# Altium PCB Panel1.PcbDoc
Units mm, origin at the board's own origin, x right, y up, seen from the top; angles counter-clockwise.
Board outline 32 x 32 mm, 2 copper layers (Top Layer, Bottom Layer); 4 components, 1 nets, 4 pads, 0 vias.
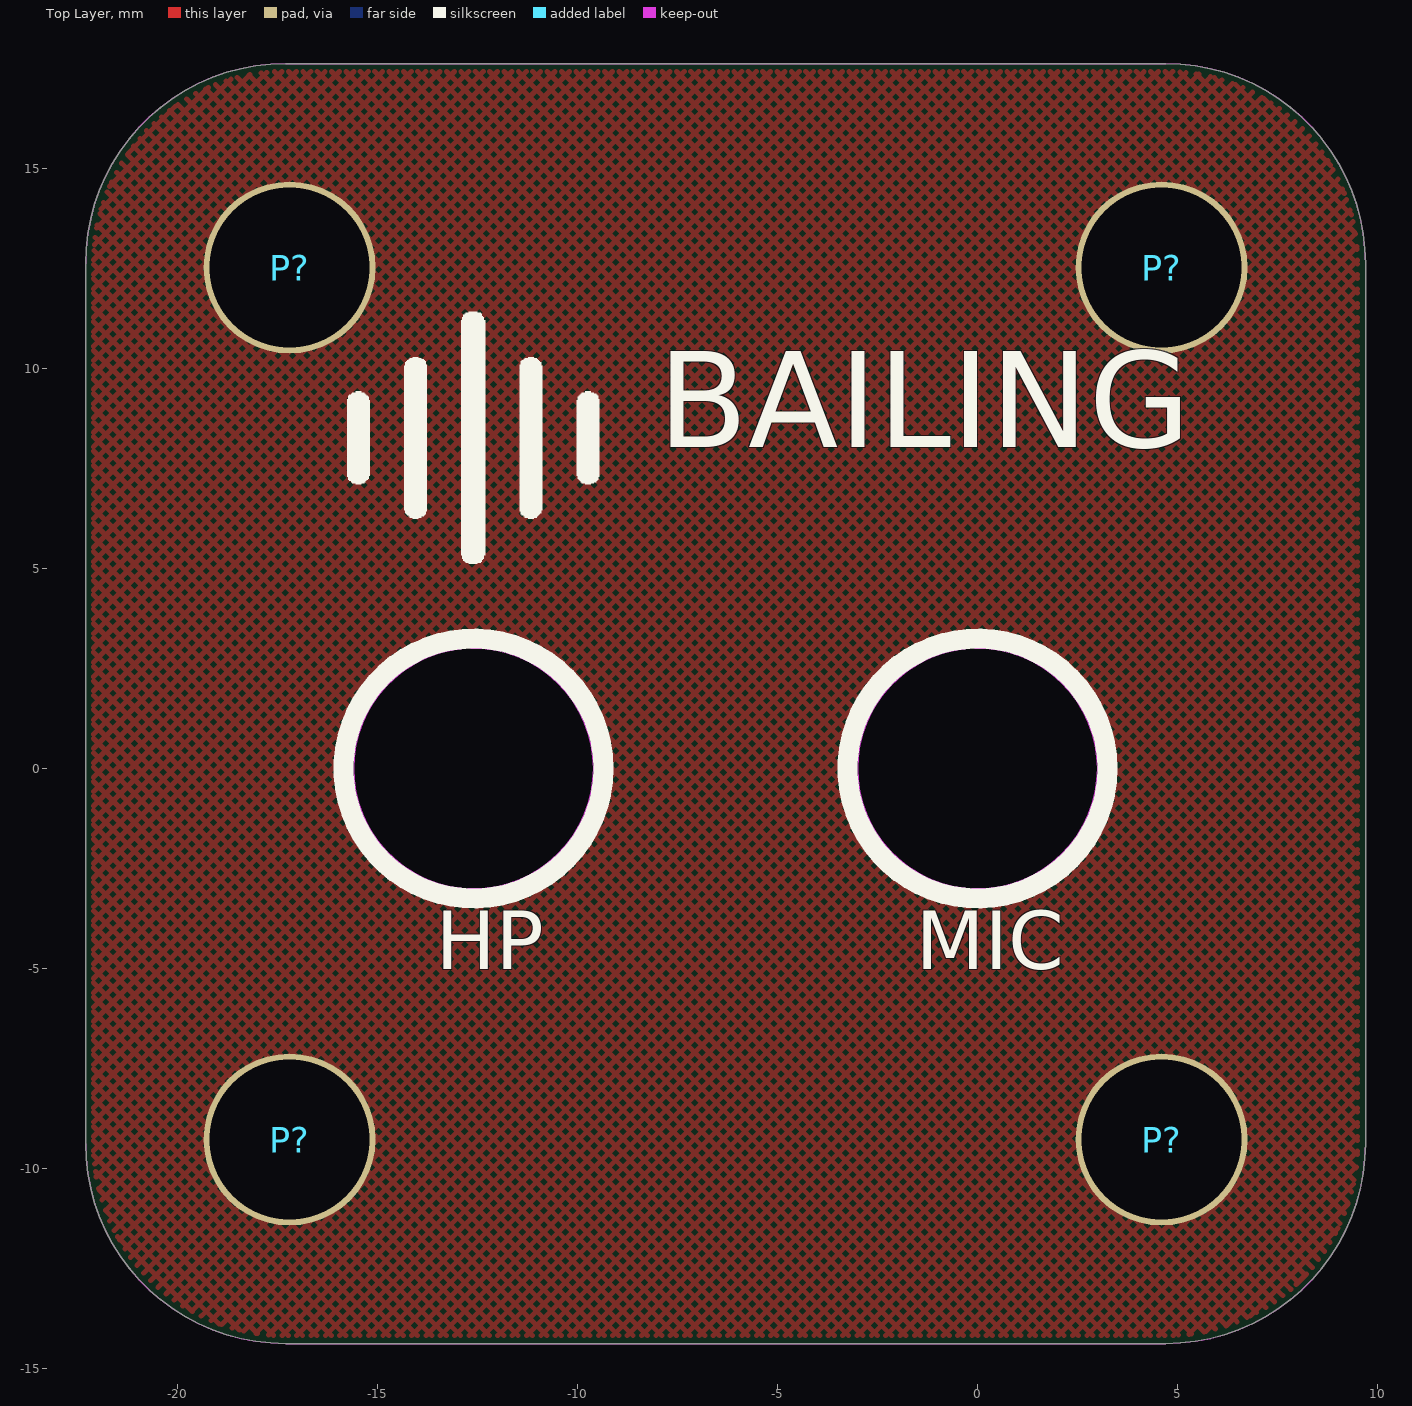
[diagram p0: Top Layer view]
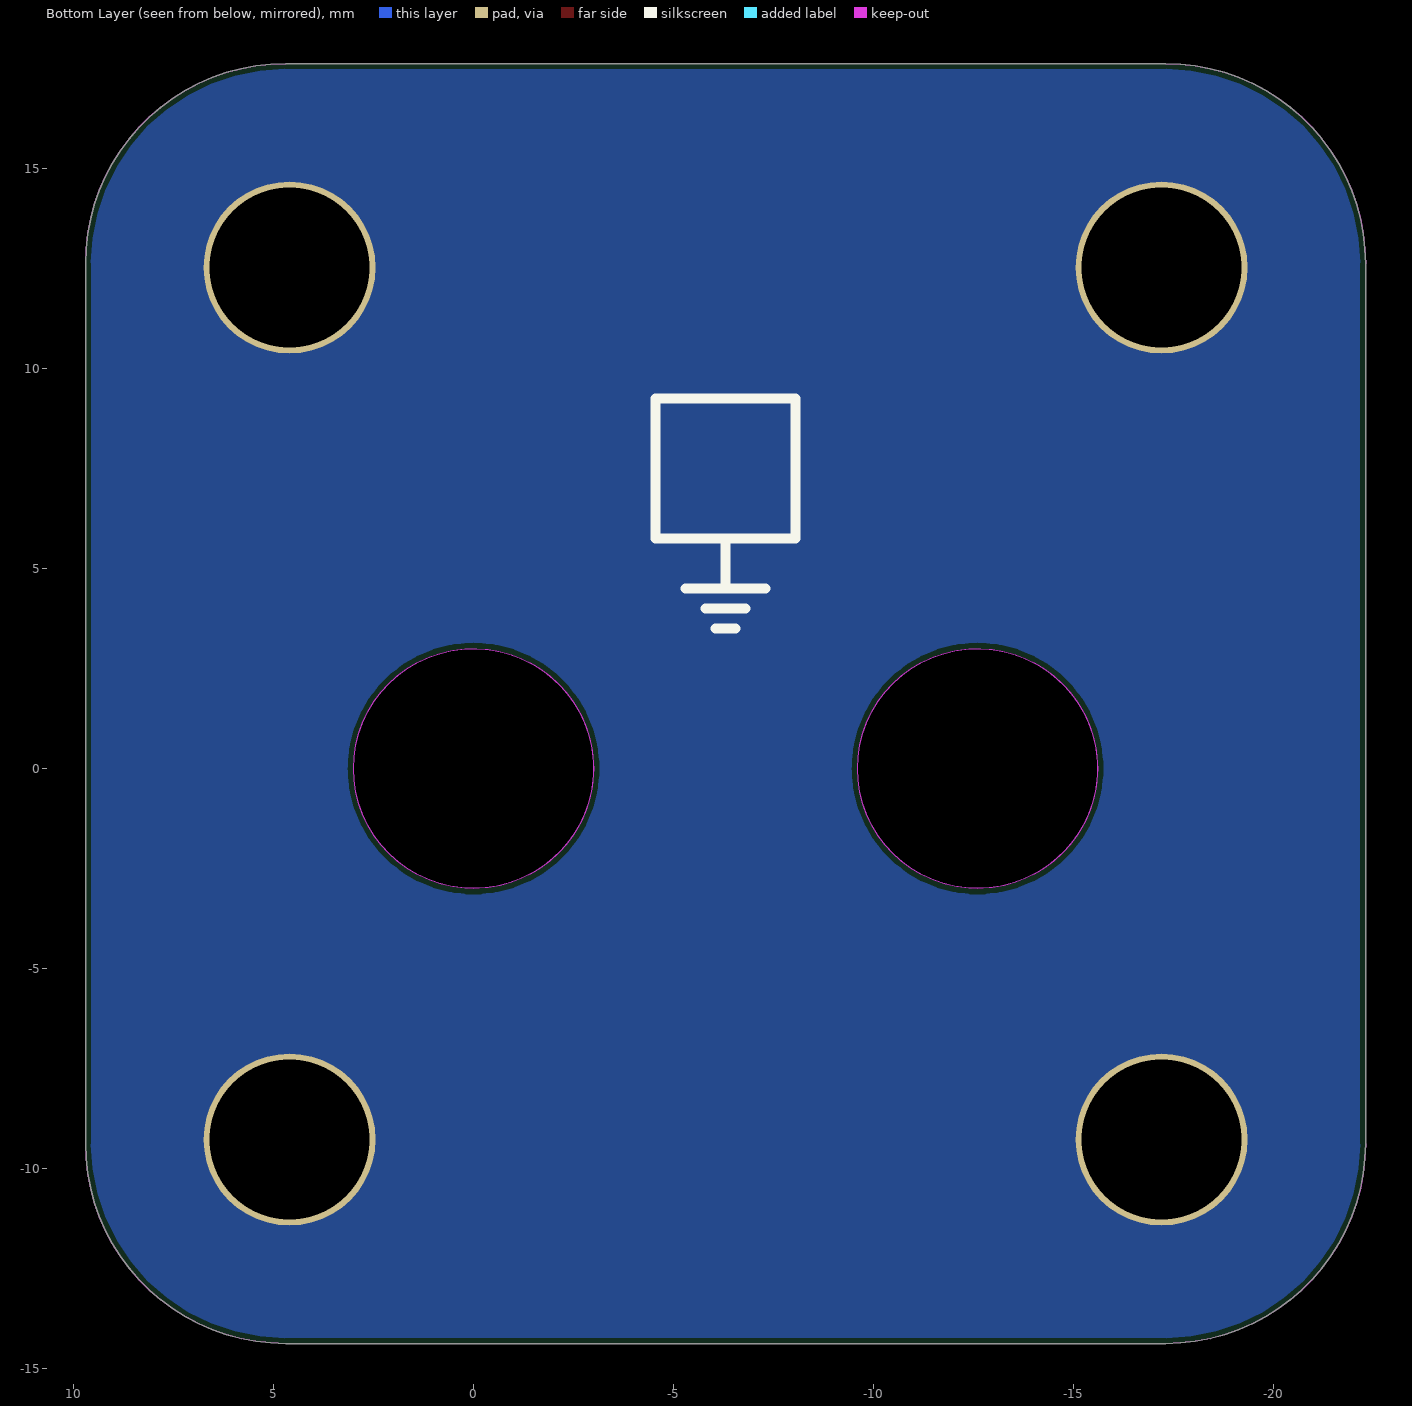
[diagram p1: Bottom Layer view, seen from below]

## Layer stack, top to bottom
Top Solder: solder mask 0.0102, Solder Resist, Dk 3.5
Top Layer: signal copper 0.0356
Dielectric 1: dielectric 0.32, FR-4, Dk 4.8
Bottom Layer: signal copper 0.0356
Bottom Solder: solder mask 0.0102, Solder Resist, Dk 3.5

## Board outline
-22.3,-9.375 -22.3,12.625 cw(c-17.3,12.625) -17.3,17.625 4.7,17.625 cw(c4.7,12.625) 9.7,12.625 9.7,-9.375 cw(c4.7,-9.375) 4.7,-14.375 -17.3,-14.375 cw(c-17.3,-9.375)
cut-out: -3,0 ccw(c0,0) 0,-3 ccw(c0,0) 3,0 ccw(c0,0) 0,3 ccw(c0,0)
cut-out: -15.6,0 ccw(c-12.6,0) -12.6,-3 ccw(c-12.6,0) -9.6,0 ccw(c-12.6,0) -12.6,3 ccw(c-12.6,0)

## Design rules (kind name [scope] priority, off if disabled: settings)
Clearance [All] p1: gap=0.127
PolygonConnect [All] p1: connectstyle=Direct reliefconductorwidth=0.254 reliefentries=4 polygonreliefangle="90 Angle" airgapwidth=0.254
RoutingVias [All] p1: holewidth=0.711 width=1.27 viastyle="Through Hole" minholewidth=0.711 minwidth=1.27 maxholewidth=0.711 maxwidth=1.27
SolderMaskExpansion [All] p1: expansion=0.102
Width [All] p1: maxlimit=0.254 minlimit=0.254 preferedwidth=0.254
30 further rules are at their usual default settings.

## Classes and differential pairs
component class Panel1: P?

## Components (designator, comment, footprint, x,y, rotation, side; value= is the part's Value field where it differs from the comment)
P? "M3" M3_4.0 -17.2,12.525 r0 top
P? "M3" M3_4.0 4.6,12.525 r0 top
P? "M3" M3_4.0 -17.2,-9.275 r0 top
P? "M3" M3_4.0 4.6,-9.275 r0 top

## Footprints (in the part's own frame and the unit in brackets; to place one, negate y for a bottom-side part, rotate by r counter-clockwise, add the part's x,y. Pads: shape width x height; smd on the part's side, far side on the other; paste and mask are expansions set on the pad)
M3_4.0 [mm]
  round 4.3 hole 4: 1(0,0)

## Nets (pads, with @x,y where several pads share a name; then routed paths per layer and width w, separated by ;. In a path a pad name is that pad's centre, name@x,y a point inside that pad or via, vN(x,y) a via of type N, cw(c..) or ccw(c..) an arc to the next point about the centre after c; other vN are vias at no path point)
GND: P?.1

## Polygon pours and split planes (outlines as drawn)
GND on Top Layer "Top Layer-No Net" (hatched 45Degree grid 0.254 track 0.127, remove dead copper, pour order 0): -24.6,20 11.4,20 11.4,-16 -24.6,-16
GND on Bottom Layer "Top Layer-No Net" (solid, remove dead copper, pour order 2): -24.6,20 11.4,20 11.4,-16 -24.6,-16

## Keep-outs
Keep-Out Layer:
  circle w0.013: c0,0 r3
  circle w0.013: c-12.6,0 r3
  lines w0.013: -22.3,-9.375 ccw(c-17.3,-9.375) -17.3,-14.375 4.7,-14.375 ccw(c4.7,-9.375) 9.7,-9.375 9.7,12.625 ccw(c4.7,12.625) 4.7,17.625 -17.3,17.625 ccw(c-17.3,12.625) -22.3,12.625 -22.3,-9.375

## Silkscreen, mask and mechanical layers (free items; w line width, h text height)
Top Overlay:
  drawing of 7 lines, arcs and shapes, not listed
  text "BAILING" at -8,7.25 h4.13
  text "HP" at -13.55,-5.5 h2.5
  text "MIC" at -1.55,-5.5 h2.5
Bottom Overlay:
  lines w0.25: -7.3,4.5 -5.3,4.5 ; -6.8,4 -5.8,4 ; -6.55,3.5 -6.05,3.5 ; -6.3,4.5 -6.3,5.75 ; -8.05,5.75 -8.05,9.25 -4.55,9.25 -4.55,5.75 -8.05,5.75
Bottom Solder:
  rectangle: -7.8,6 -4.8,9
Mechanical 1:
  circle w0.013: c0,0 r3
  circle w0.013: c-12.6,0 r3
  lines w0.013: -22.3,-9.375 ccw(c-17.3,-9.375) -17.3,-14.375 4.7,-14.375 ccw(c4.7,-9.375) 9.7,-9.375 9.7,12.625 ccw(c4.7,12.625) 4.7,17.625 -17.3,17.625 ccw(c-17.3,12.625) -22.3,12.625 -22.3,-9.375
Mechanical 2:
  drawing of 155 lines, arcs and shapes, not listed
  text "32" at -6.3,21.805 h2.5
  text "32" at -28.19,0.375 h2.5 r90
  text "21,8" at 14.07,0.375 h2.5 r90
  text "21,8" at -6.3,-19.487 h2.5